# Altium PCB ATmega324PB_Xplained_Pro.PcbDoc (part 1 of 3) (continued)
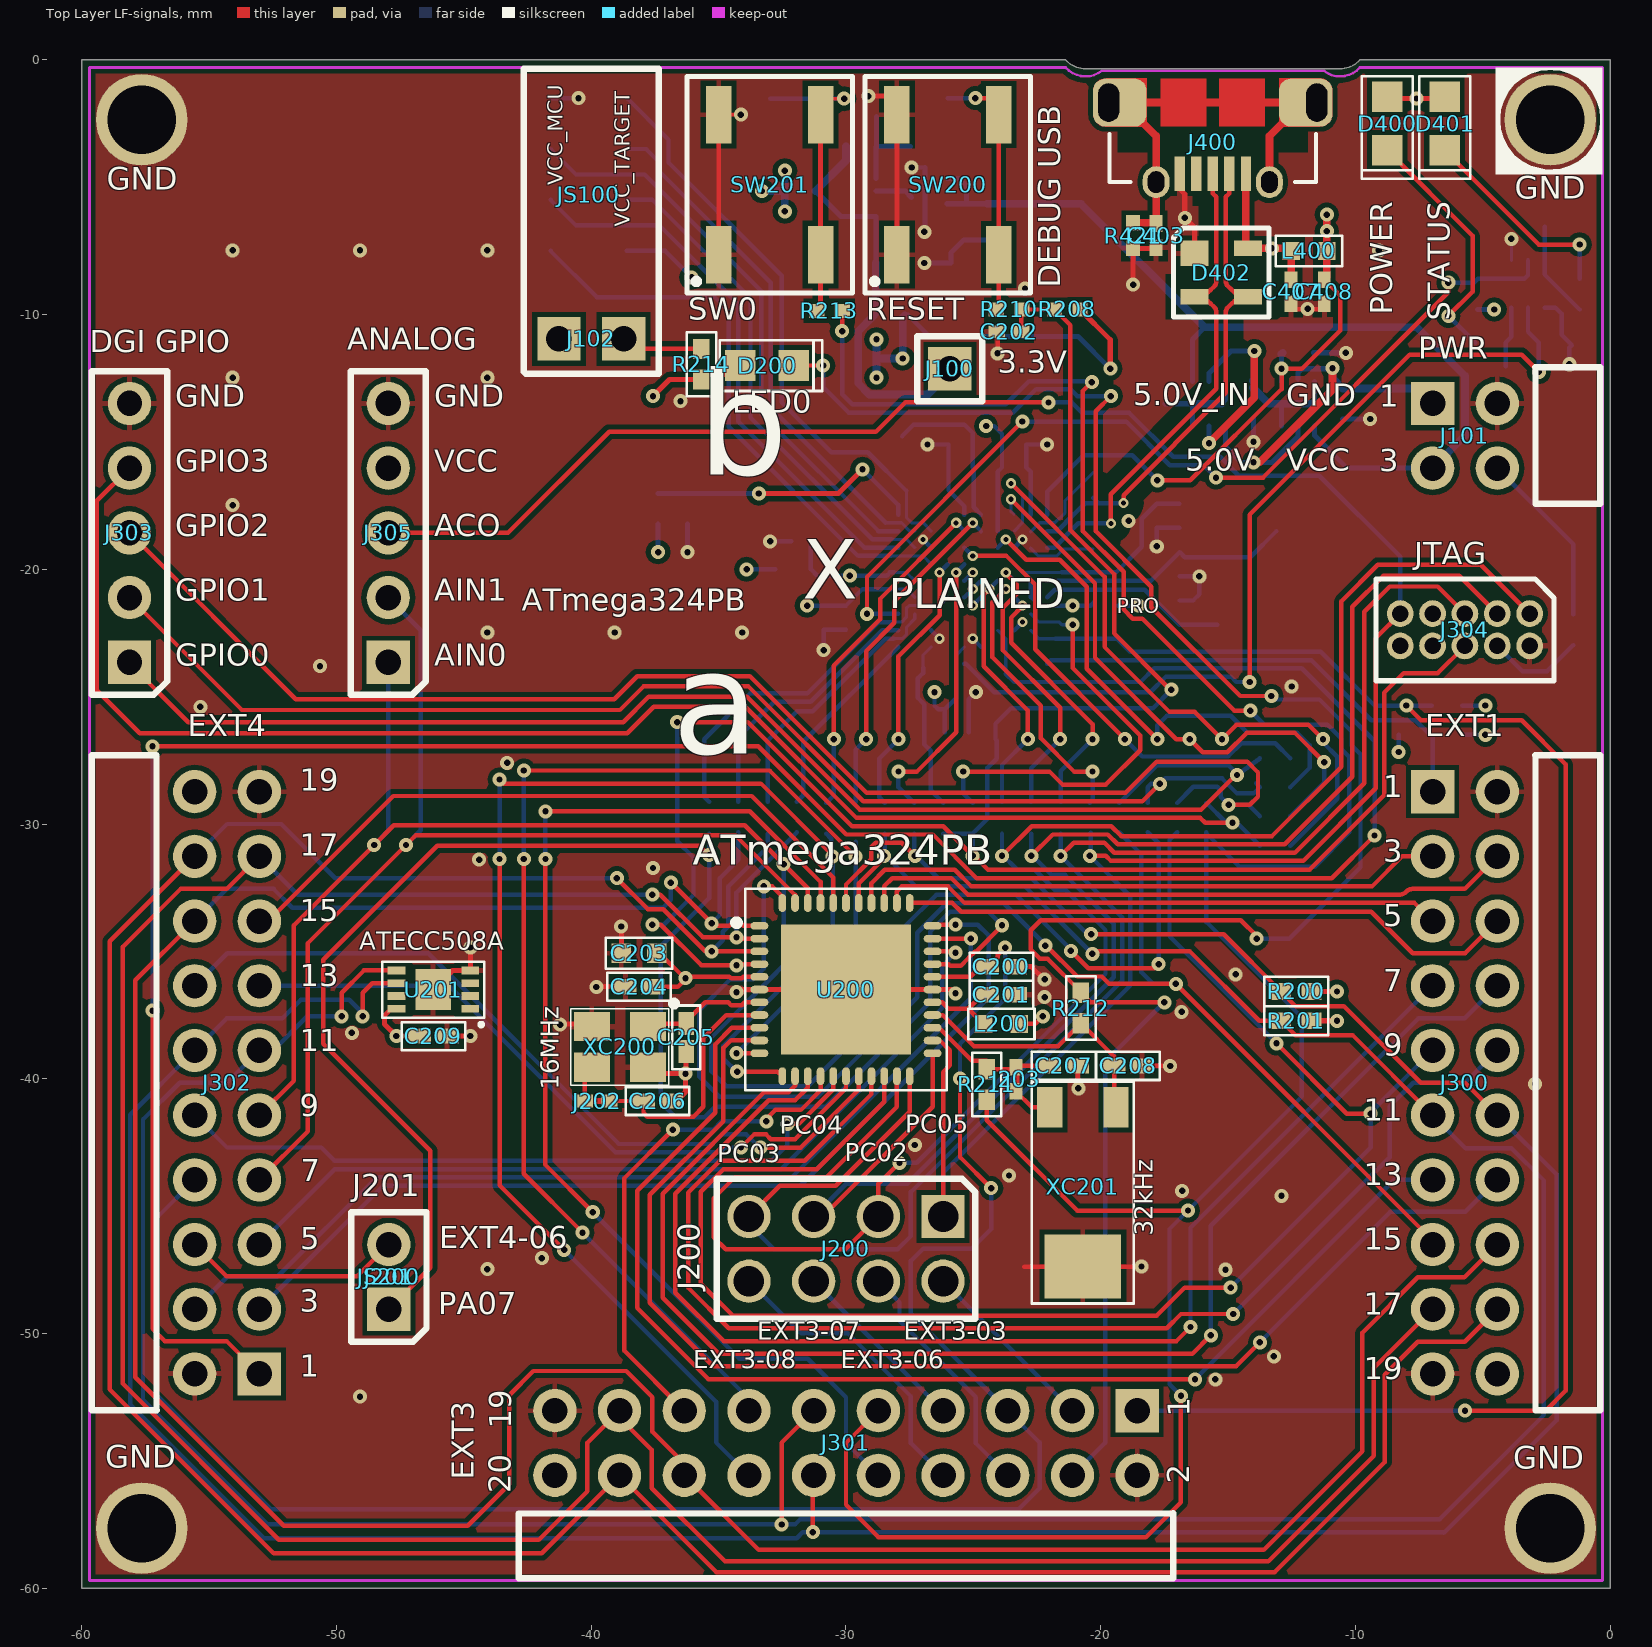
[diagram p0: Top Layer LF-signals view]
## Design rules (kind name [scope] priority, off if disabled: settings)
AcuteAngle [All] p1: minimum=7.00000000000000E+0001 checktracksonly=FALSE
AssemblyTestPointUsage "Schematic Assembly Testpoint Usage_11" [InNet('NetJ203_2')] p1: valid=1
AssemblyTestPointUsage "Schematic Assembly Testpoint Usage_5" [InNet('NetJ202_2')] p2: valid=1
AssemblyTestPointUsage "Schematic Assembly Testpoint Usage_2" [InNet('PE0_XTAL2')] p3: valid=1
AssemblyTestPointUsage "Schematic Assembly Testpoint Usage_1" [InNet('PE1_XTAL1')] p4: valid=1
AssemblyTestPointUsage "Schematic Assembly Testpoint Usage_4" [InNet('PC7_TOSC2')] p5: valid=1
AssemblyTestPointUsage "Schematic Assembly Testpoint Usage_3" [InNet('PC6_TOSC1')] p6: valid=1
AssemblyTestPointUsage "Schematic Assembly Testpoint Usage_10" [InNet('XIN0')] p7: valid=1
AssemblyTestPointUsage "Schematic Assembly Testpoint Usage_9" [InNet('XOUT0')] p8: valid=1
AssemblyTestPointUsage "Schematic Assembly Testpoint Usage_8" [InNet('EDBG_USB_FS_N')] p9: valid=1
AssemblyTestPointUsage "Schematic Assembly Testpoint Usage_7" [InNet('EDBG_USB_FS_P')] p10: valid=1
AssemblyTestPointUsage "Schematic Assembly Testpoint Usage_6" [InNet('EDBG_USB_HS_N')] p11: valid=1
AssemblyTestPointUsage "Schematic Assembly Testpoint Usage" [InNet('EDBG_USB_HS_P')] p12: valid=1
AssemblyTestPointUsage [All] p13:
AssemblyTestpoint [All] p1: testpointundercomponent=TRUE minsize=0.8 maxsize=10 preferedsize=0.8 minholesize=0 maxholesize=2 preferedholesize=0.25 testpointgrid=0.025 usegrid=FALSE gridtolerance=0 allowsidebottom=TRUE minspacing=1.27 compbodyclearance=0.127
Clearance Clearance_EDBG [(InComponent('U400') OR InNet('EDBG_USB_FS_N') OR InNet('EDBG_USB_FS_P'))] p1: gap=0.119
Clearance Clearance_touch [InPoly vs (InNet('PA02_ADC0_00') OR InNet('PA03_ADC0_01') OR InNet('PA02_ADC0_00_x') OR InNet('PA03_ADC0_01_x') OR  InNet('PA04_GPIO') OR InNet('PA05_GPIO') OR InNet('PA16_PWM_TC1_C0') OR InNet('PA17_PWM_TC1_C1') OR InNet('PA14_GPIO_NMI') OR InNet('PA15_GPIO_SS') OR InNet('EDBG_SPI_DGI_MOSI') OR InNet('EDBG_SPI_DGI_SCK') OR InNet('PA08_S0_SPI_SS') OR InNet('PA09_S0_SPI_MISO') OR InNet('NetCS300_1') OR InNet('NetCS301_1') OR InNet('NetJ302_1') OR InNet('NetJ303_1'))] p2: gap=0.4
Clearance Clearance_Poly_Impedance [IsRegion vs InDifferentialPairClass('All Differential Pairs')] p3: gap=0.6
Clearance Clearance_Poly [InPoly] p4: gap=0.2
Clearance [All] p5: gap=0.15
ComponentClearance [All] p1: gap=0.1 collisioncheckmode=3 verticalgap=0.1 showdistances=FALSE
DiffPairsRouting [All] p1: maxlimit=0.22 minlimit=0.18 mostfreqgap=0.2 toplayer_minwidth=0.125 toplayer_maxwidth=0.2 toplayer_prefwidth=0.18 bottomlayer_minwidth=0.125 bottomlayer_maxwidth=0.2 bottomlayer_prefwidth=0.18 maxuncoupledlength=20
FabricationTestPointUsage TestPointUsage [All] p1: valid=0 allowmultiple=FALSE
FabricationTestpoint Testpoint [All] p1: side=2 testpointundercomponent=TRUE minsize=0.55 maxsize=10 preferedsize=0.8 minholesize=0 maxholesize=2 preferedholesize=0.25 testpointgrid=0 allowsidebottom=TRUE usegrid=FALSE gridtolerance=0 minspacing=1.27 compbodyclearance=0.127
HoleSize [All] p1: absolutevalues=TRUE maxlimit=10 minlimit=0.2 maxpercent=80.000 minpercent=20.000
HoleToHoleClearance [All] p1: gap=0.3 allowstackedmicrovias=TRUE
MinimumAnnularRing [All] p1: minimumring=0.1
MinimumSolderMaskSliver [All] p1: minsoldermaskwidth=0.075
PlaneClearance [All] p1: clearance=0.3
PlaneConnect PlaneConnect_VIA [IsVia OR HasPad('Free-666')] p1: planeconnectstyle=Direct reliefexpansion=0.508 reliefentries=4 reliefconductorwidth=0.254 reliefairgap=0.254
PlaneConnect PlaneConnect_50mil [InComponent('J300')] p2: planeconnectstyle=Relief reliefexpansion=0.2 reliefentries=4 reliefconductorwidth=0.2 reliefairgap=0.2
PlaneConnect [All] p3: planeconnectstyle=Relief reliefexpansion=0.508 reliefentries=4 reliefconductorwidth=0.254 reliefairgap=0.254
PolygonConnect PolygonConnect_VIA [IsVia OR HasPad('Free-666')] p1: connectstyle=Direct reliefconductorwidth=0.254 reliefentries=4 polygonreliefangle="90 Angle" airgapwidth=0.254
PolygonConnect [All] p2: connectstyle=Relief reliefconductorwidth=0.2 reliefentries=4 polygonreliefangle="90 Angle" airgapwidth=0.2
RoutingVias [All] p1: holewidth=0.25 width=0.55 viastyle="Through Hole" minholewidth=0.2 minwidth=0.4 maxholewidth=0.5 maxwidth=1
SMDNeckDown [All] p1: percent=90.000
SilkToSilkClearance SilkToSilkClearance_Text [IsText vs IsText] p1: silktosilkclearance=0
SilkToSilkClearance [All] p2: silktosilkclearance=0.1
SilkToSolderMaskClearance SilkscreenOverComponentPads [IsPad] p1: minsilkscreentomaskgap=0.1 clearancetoexposedcopper=TRUE
SolderMaskExpansion SolderMaskTenting [IsVia AND NOT (IsFabTestpoint OR IsAssyTestpoint)] p1: expansion=-1
SolderMaskExpansion [All] p2: expansion=0.05
ViasUnderSMD [All] p1: allowed=FALSE
Width [All] p1: maxlimit=10 minlimit=0.125 preferedwidth=0.175
17 further rules are at their usual default settings.

## Classes and differential pairs
component class Target_MCU: C200 C201 C202 C203 C204 C205 C206 C207 C208 C209 C302 C303 C306 C307 D200 J200 J201 J202 J203 JS200 L200 R200 R201 R202 R203 R204 R205 R206 R207 R208 R209 R210 R211 R212 R213 R214 R215 R216 R217 R218 R301 R308 R312 SW200 SW201 TP200 TP201 TP302 U200 U201 XC200 XC201 XC301
component class ATmega324PB_Xplained_Pro_TopLevel: E1 E2 E3 E4 FIXTURE1 FW1 LABEL1 PCB1 PCBADOC1 TEST1 TESTDOC1
component class Power_supply: C100 C101 J100 J101 J102 JS100 Q100 Q101 R100 R101 R102 R103 R104 R105 R106 R107 U100
component class EDBG: C400 C401 C402 C403 C404 C405 C406 C407 C408 C409 C410 C411 C412 C413 C414 C415 D400 D401 D402 J400 L400 L401 Q400 R400 R401 R402 R403 R404 R405 R406 R407 R408 R409 R410 R411 R412 R413 R414 R415 R416 R417 R418 R419 R420 R421 R422 TP400 TP401 TP402 TP403 TP404 TP405 TP406 TP407 U400 XC400
component class Connectors: J300 J301 J302 J303 J304 J305 R300
differential pair EDBG_USB_HS: +EDBG_USB_HS_P -EDBG_USB_HS_N
differential pair EDBG_USB_FS: +EDBG_USB_FS_P -EDBG_USB_FS_N

## Components (designator, comment, footprint, x,y, rotation, side; value= is the part's Value field where it differs from the comment)
C100 "" AP1-00036 -27.35,-7.975 r0 bottom
C101 "" AP1-00039 -24.425,-6.375 r270 bottom
C200 "" AP1-00001#1 -23.9,-35.6 r180 top
C201 "" AP1-00001#1 -23.9,-36.7 r0 top
C202 "" AP1-00053 -23.6,-10.675 r180 top locked
C203 "" AP1-00039 -38.125,-35.075 r180 top
C204 "" AP1-00001#1 -38.122,-36.385 r180 top
C205 "" AP1-00001#1 -36.275,-38.375 r270 top
C206 "" AP1-00001#1 -37.4,-40.875 r180 top
C207 "" AP1-00001#2 -21.45,-39.5 r0 top
C208 "" AP1-00001#2 -18.925,-39.5 r0 top
C209 "" AP1-00001#1 -46.2,-38.325 r180 top
C400 "" AP1-00053 -16.9,-21.7 r90 bottom locked
C401 "" AP1-00053 -16.9,-19.8 r270 bottom locked
C402 "" AP1-00053 -17.8,-17.9 r270 bottom locked
C403 "" AP1-00053 -17.825,-6.9 r90 top
C404 "" AP1-00053 -31.675,-18.9 r180 bottom locked
C405 "Farnell no: 1288200" AP1-00053 -25.5,-15.1 r180 bottom locked
C406 "" AP1-00053 -25.5,-16 r180 bottom locked
C407 "" AP1-00053 -12.525,-9.1 r270 top
C408 "" AP1-00053 -11.225,-9.1 r270 top locked
C409 "Farnell no: 1288200" AP1-00053 -23.4,-15.1 r0 bottom locked
C410 "" AP1-00053 -23.4,-16 r0 bottom locked
C411 "" AP1-00053 -19.8,-21.425 r0 bottom locked
C412 "" AP1-00053 -25.65,-25.5 r0 bottom locked
C413 "" AP1-00053 -30,-21.9 r270 bottom locked
C414 "Farnell no: 1288200" AP1-00053 -30.875,-21.9 r270 bottom locked
C415 "Farnell no: 1288200" AP1-00053 -25.65,-26.4 r0 bottom locked
D200 "" AP4-00013 -33.1,-12 r180 top locked
D400 "" AP4-00013 -8.75,-2.5 r90 top locked
D401 "" AP4-00013 -6.5,-2.5 r90 top locked
D402 "Changed manufacturer from Philips to NXP." AP4-00001 -16.316,-7.6 r0 top
E1 "" AP8-00192 -9,-4.5 r180 bottom locked
E2 "" AP8-00192 -51,-4.5 r180 bottom locked
E3 "" AP8-00192 -12,-55.5 r180 bottom locked
E4 "" AP8-00192 -48,-55.5 r180 bottom locked
J100 "" AP8-00976 -25.925,-12.125 r90 top locked
J101 "" AP8-00628 -5.7,-14.76 r270 top locked
J102 "" AP8-00367 -40,-10.95 r0 top locked
J200 "" AP8-00971 -30,-46.68 r180 top
J201 "" AP8-00733 -47.95,-47.78 r90 top locked
J202 "" AP8-00595 -39.775,-40.875 r180 top net-tie
J203 "" AP8-00595 -23.325,-40.025 r270 top net-tie
J300 "" AP8-00622 -5.7,-40.16 r270 top locked
J301 "" AP8-00622 -30,-54.3 r180 top locked
J302 "" AP8-00622 -54.3,-40.16 r90 top locked
J303 "" AP8-00968 -58.13,-18.57 r90 top locked
J304 "" AP8-00257 -5.7,-22.375 r180 top locked
J305 "" AP8-00968 -47.97,-18.57 r90 top locked
J400 "2,000 pieces per reel" AP8-00852 -15.6,-1.675 r180 top locked
JS100 "" AP8-00525 -40.1,-5.3 r0 top locked
JS200 "" AP8-00525 -47.95,-47.78 r90 top
L200 "" AP3-00005 -23.9,-37.85 r0 top
L400 "" AP3-00005 -11.825,-7.5 r0 top locked
L401 "" AP3-00005 -32.075,-20 r0 bottom locked
LABEL1 "" AP8-00317 -28.875,-41.775 r180 bottom
Q100 "Farnell order code: 2191806" AP5-00047 -12.25,-13.5 r0 bottom
Q101 "Farnell order code: 2191806" AP5-00047 -15.75,-13.5 r180 bottom
Q400 "Same as 2N7002 but with two MOSFETs in one package" AP5-00001 -3.225,-8.8 r270 bottom locked
R100 "" AP2-00000 -12.25,-11.275 r180 bottom
R101 "" AP2-00000 -26.875,-3.4 r0 bottom
R102 "" AP2-00000 -29.4,-3.4 r0 bottom
R103 "" AP2-00000 -10.5,-13.5 r90 bottom
R104 "" AP2-00000 -14,-13.5 r90 bottom
R105 "" AP2-00000 -28.3,-10.025 r180 bottom
R106 "" AP2-00000 -37.375,-17.625 r270 bottom
R107 "" AP2-00000 -36.225,-17.625 r90 bottom
R200 "" AP2-00000 -12.325,-36.575 r0 top
R201 "" AP2-00000 -12.325,-37.725 r0 top
R202 "" AP2-00000 -28.475,-29.775 r270 bottom
R203 "" AP2-00000 -27.325,-29.775 r270 bottom
R204 "" AP2-00000 -30.775,-29.775 r270 bottom
R205 "" AP2-00000 -34.225,-29.775 r270 bottom
R206 "" AP2-00000 -33.075,-29.775 r270 bottom
R207 "" AP2-00000 -35.375,-29.775 r270 bottom
R208 "" AP2-00011 -21.311,-9.8 r0 top locked
R209 "" AP2-00000 -26.175,-29.775 r270 bottom
R210 "" AP2-00011 -23.6,-9.8 r0 top locked
R211 "" AP2-00000 -24.475,-40.225 r270 top
R212 "" AP2-00000 -20.775,-37.225 r90 top
R213 "" AP2-00011 -30.65,-9.85 r0 top locked
R214 "" AP2-00000 -35.675,-11.95 r90 top
R215 "" AP2-00000 -19.275,-29.775 r270 bottom
R216 "" AP2-00000 -18.15,-29.775 r270 bottom
R217 "" AP2-00000 -17,-29.775 r270 bottom
R218 "" AP2-00000 -15.85,-29.775 r270 bottom
R300 "" AP2-00000 -1.45,-22.375 r90 bottom
R400 "" AP2-00000 -25.025,-29.775 r270 bottom
R401 "" AP2-00000 -23.875,-29.775 r270 bottom
R402 "" AP2-00000 -22.725,-29.775 r270 bottom
R403 "" AP2-00000 -21.575,-29.775 r270 bottom
R404 "" AP2-00000 -20.425,-29.775 r270 bottom
R405 "" AP2-00000 -8.9,-26.5 r0 bottom
R406 "" AP2-00000 -6.4,-25.35 r0 bottom
R407 "" AP2-00000 -6.4,-26.5 r0 bottom
R408 "" AP2-00000 -5.2,-9.2 r270 bottom locked
R409 "" AP2-00000 -4.7,-11.1 r180 bottom locked
R410 "" AP2-00000 -1.2,-9.2 r90 bottom locked
R411 "" AP2-00000 -29.625,-29.775 r90 bottom
R412 "" AP2-00000 -2.2,-11.1 r180 bottom locked
R413 "" AP2-00000 -13.15,-27.425 r0 bottom
R414 "" AP2-00000 -13.15,-28.55 r0 bottom
R415 "" AP2-00000 -13.15,-29.7 r0 bottom
R416 "" AP2-00000 -13.15,-30.85 r0 bottom
R417 "" AP2-00000 -31.925,-29.775 r270 bottom
R418 "" AP2-00011 -20.3,-16.7 r90 bottom locked
R419 "" AP2-00011 -20.3,-18.7 r270 bottom locked
R420 "" AP2-00011 -16.9,-17.9 r90 bottom locked
R421 "" AP2-00011 -18.725,-6.9 r90 top
R422 "" AP2-00000 -31.8,-5.15 r0 bottom
SW200 "Can be ordered in low volumes from Mouser" AP8-00137 -26,-4.9 r90 top locked
SW201 "Can be ordered in low volumes from Mouser" AP8-00137 -33,-4.9 r90 top locked
TP200 "" AP8-00010#1 -26,-1.5 r270 bottom locked
TP201 "" AP8-00010#2 -32.825,-1.475 r270 bottom locked
TP400 "" AP8-00010#1 -41.6,-1.5 r270 bottom locked
TP401 "" AP8-00010#1 -38.6,-1.5 r270 bottom locked
TP402 "" AP8-00010#1 -41.6,-3.5 r270 bottom locked
TP403 "" AP8-00010#1 -41.6,-5.5 r270 bottom locked
TP404 "" AP8-00010#1 -38.6,-5.5 r270 bottom locked
TP405 "" AP8-00010#1 -41.6,-7.5 r270 bottom locked
TP406 "" AP8-00010#1 -38.6,-3.5 r270 bottom locked
TP407 "" AP8-00010#1 -38.6,-7.5 r270 bottom locked
U100 "DigiKey: 1016-1588-2-ND" AP6-00338 -27.425,-5.4 r180 bottom
U200 "Footprint has tight silkscreen to solder mask expansion clearance" AP6-00147 -30,-36.5 r0 top
U201 "" AP6-00409 -46.2,-36.5 r180 top
U400 "100 ball VFBGA" AP6-00206 -25.025,-20.775 r90 bottom locked
XC200 "" AP7-00061 -38.875,-38.75 r180 top
XC201 "Farnell order no:1539364" AP7-00044 -20.7,-41.125 r180 top
XC400 "" AP7-00039 -14.25,-20.25 r90 bottom locked

## Footprints (in the part's own frame and the unit in brackets; to place one, negate y for a bottom-side part, rotate by r counter-clockwise, add the part's x,y. Pads: shape width x height; smd on the part's side, far side on the other; paste and mask are expansions set on the pad)
AP1-00001#1 [mm] "Standard 0402 SMD capacitor footprint"
  rect 0.9x0.6 smd: 1(-0.55,0) 2(0.55,0)
  silkscreen extent -1.25,-0.55 1.25,0.55, body extent -0.5,-0.3 0.5,0.3, height 0.2
AP1-00001#2 [mm] "Standard 0402 SMD capacitor footprint"
  rect 0.9x0.6 smd paste-1: 1(-0.55,0) 2(0.55,0)
  silkscreen extent -1.25,-0.55 1.25,0.55, body extent -0.5,-0.3 0.5,0.3, height 0.2
AP1-00036 [mm] "SMD capacitors: 3216-18 EIA Case 1206, polarized"
  rect 0.95x1.75 smd: 1(-1.475,0) 2(1.475,0)
  silkscreen extent -2.95,-1.12 2.2,1.12, body extent -1.6,-0.8 1.6,0.8, height 1
AP1-00039 [mil] "Capacitor 0603 Hight 0.8mm"
  rect 30x30 smd: 1(-27.5,0) 2(27.5,0)
  silkscreen extent -52,-24 51,24, body extent -31,-16 32,16, height 12
AP1-00053 [mm] "Chip Capacitor, 2-Leads, Body 1.0x0.5mm, IPC High Density"
  rect 0.65x0.5 smd: 1(-0.475,0) 2(0.475,0)
  body extent -0.5,-0.3 0.5,0.3, height 0.2
AP2-00000 [mm] "Standard 0402 SMD resistor footprint"
  rect 0.8x0.65 smd: 1(-0.6,0) 2(0.6,0)
  silkscreen extent -1.25,-0.58 1.25,0.58, body extent -0.5,-0.3 0.5,0.3, height 0.2
AP2-00011 [mm] "Chip Resistor, 2-Leads, Body 1,0x0,5mm, IPC High Density"
  rect 0.6x0.55 smd: 1(-0.5,0) 2(0.5,0)
  body extent -0.5,-0.3 0.5,0.3, height 0.2
AP3-00005 [mm]
  rect 0.7x0.7 smd: 1(-0.7,0) 2(0.7,0)
  silkscreen extent -1.3,-0.6 1.3,0.6, body extent -0.83,-0.41 0.82,0.41, height 0.8
AP4-00001 [mm]
  rect 1.1x1 smd: 1(0,0)
  rect 1.1x0.6 smd: 2(0,-1.7) 3(2.1,-1.7) 4(2.1,0.2)
  silkscreen extent -0.82,-2.5 2.93,1, body extent -0.13,-2.2 2.23,0.7, height 1.21
AP4-00013 [mm] "0805 diode footprint"
  rect 1.2x1.2 smd: 1(-1.05,0) 2(1.05,0)
  silkscreen extent -2.16,-1 1.85,1, body extent -1,-0.63 1,0.63, height 1.1
AP5-00001 [mm]
  rect 0.85x0.35 smd: 1(-0.925,0.65) 2(-0.925,0) 3(-0.925,-0.65) 4(0.925,-0.65) 5(0.925,0) 6(0.925,0.65)
  silkscreen extent -1.6,-1.35 1.6,1.35, body extent -1.05,-1 1.05,1, height 0.95
AP5-00047 [mm] "NXP SOT1118 (DFN2020-6) Footprint"
  rect 0.35x0.3 smd mask+0.05: 1(-0.65,-0.875) 2(0,-0.875) 3(0.65,-0.875) 4(0.65,0.875) 5(0,0.875) 6(-0.65,0.875)
  rect 0.72x1.05 smd mask+0.05: 7(-0.49,0) 8(0.49,0)
  silkscreen extent -1,-1.55 1,1.17, body extent -0.99,-1.01 1.01,1.01, height 0.65
AP6-00147 [mm] "44M1, 44-pad, 7 x 7 x 1.0 mm Body, Lead Pitch 0.50 mm,  Micro Lead Frame Package (MLF)"
  round 1.5 on Top Paste: 0(-1.6,-1.6) 0(-1.6,1.6) 0(0,0) 0(1.6,-1.6) 0(1.6,1.6)
  oval 0.7x0.3 smd: 1(-3.4,2.5) 2(-3.4,2) 3(-3.4,1.5) 4(-3.4,1) 5(-3.4,0.5) 6(-3.4,0) 7(-3.4,-0.5) 8(-3.4,-1) 9(-3.4,-1.5) 10(-3.4,-2) 11(-3.4,-2.5) 23(3.4,-2.5) 24(3.4,-2) 25(3.4,-1.5) 26(3.4,-1) 27(3.4,-0.5) 28(3.4,0) 29(3.4,0.5) 30(3.4,1) 31(3.4,1.5) 32(3.4,2) 33(3.4,2.5)
  oval 0.3x0.7 smd: 12(-2.5,-3.4) 13(-2,-3.4) 14(-1.5,-3.4) 15(-1,-3.4) 16(-0.5,-3.4) 17(0,-3.4) 18(0.5,-3.4) 19(1,-3.4) 20(1.5,-3.4) 21(2,-3.4) 22(2.5,-3.4) 34(2.5,3.4) 35(2,3.4) 36(1.5,3.4) 37(1,3.4) 38(0.5,3.4) 39(0,3.4) 40(-0.5,3.4) 41(-1,3.4) 42(-1.5,3.4) 43(-2,3.4) 44(-2.5,3.4)
  rect 5.1x5.1 smd paste-5.1: 45(0,0)
  silkscreen extent -4.42,-3.95 3.95,3.95, body extent -3.55,-3.55 3.55,3.55, height 1.01
AP6-00206 [mm] "100 ball (10x10 array) VFBGA. Pitch 0.65 mm. Width: 7 mm. Length: 7mm. Height: 1 mm"
  round 0.28 smd: A1(-2.925,2.925) A2(-2.275,2.925) A3(-1.625,2.925) A4(-0.975,2.925) A5(-0.325,2.925) A6(0.325,2.925) A7(0.975,2.925) A8(1.625,2.925) A9(2.275,2.925) A10(2.925,2.925) B1(-2.925,2.275) B2(-2.275,2.275) B3(-1.625,2.275) B4(-0.975,2.275) B5(-0.325,2.275) B6(0.325,2.275) B7(0.975,2.275) B8(1.625,2.275) B9(2.275,2.275) B10(2.925,2.275) C1(-2.925,1.625) C2(-2.275,1.625) C3(-1.625,1.625) C4(-0.975,1.625) C5(-0.325,1.625) C6(0.325,1.625) C7(0.975,1.625) C8(1.625,1.625) C9(2.275,1.625) C10(2.925,1.625) D1(-2.925,0.975) D2(-2.275,0.975) D3(-1.625,0.975) D4(-0.975,0.975) D5(-0.325,0.975) D6(0.325,0.975) D7(0.975,0.975) D8(1.625,0.975) D9(2.275,0.975) D10(2.925,0.975) E1(-2.925,0.325) E2(-2.275,0.325) E3(-1.625,0.325) E4(-0.975,0.325) E5(-0.325,0.325) E6(0.325,0.325) E7(0.975,0.325) E8(1.625,0.325) E9(2.275,0.325) E10(2.925,0.325) F1(-2.925,-0.325) F2(-2.275,-0.325) F3(-1.625,-0.325) F4(-0.975,-0.325) F5(-0.325,-0.325) F6(0.325,-0.325) F7(0.975,-0.325) F8(1.625,-0.325) F9(2.275,-0.325) F10(2.925,-0.325) G1(-2.925,-0.975) G2(-2.275,-0.975) G3(-1.625,-0.975) G4(-0.975,-0.975) G5(-0.325,-0.975) G6(0.325,-0.975) G7(0.975,-0.975) G8(1.625,-0.975) G9(2.275,-0.975) G10(2.925,-0.975) H1(-2.925,-1.625) H2(-2.275,-1.625) H3(-1.625,-1.625) H4(-0.975,-1.625) H5(-0.325,-1.625) H6(0.325,-1.625) H7(0.975,-1.625) H8(1.625,-1.625) H9(2.275,-1.625) H10(2.925,-1.625) J1(-2.925,-2.275) J2(-2.275,-2.275) J3(-1.625,-2.275) J4(-0.975,-2.275) J5(-0.325,-2.275) J6(0.325,-2.275) J7(0.975,-2.275) J8(1.625,-2.275) J9(2.275,-2.275) J10(2.925,-2.275) K1(-2.925,-2.925) K2(-2.275,-2.925) K3(-1.625,-2.925) K4(-0.975,-2.925) K5(-0.325,-2.925) K6(0.325,-2.925) K7(0.975,-2.925) K8(1.625,-2.925) K9(2.275,-2.925) K10(2.925,-2.925)
  silkscreen extent -4.15,-4.15 4.15,4.15, body extent -3.5,-3.5 3.5,3.5, height 1.01
AP6-00338 [mm] "8-lead 3.0x2.0 mm Body, 0.50 mm Pitch,  VDFN, Very Thin, Dual Flat No-Lead Package"
  round 0.4 on Bottom Paste: 0(-0.425,-0.4) 0(-0.425,0.4) 0(0,0) 0(0.425,-0.4) 0(0.425,0.4)
  rect 0.6x0.25 smd: 1(-1.4,0.75) 2(-1.4,0.25) 3(-1.4,-0.25) 4(-1.4,-0.75) 5(1.4,-0.75) 6(1.4,-0.25) 7(1.4,0.25) 8(1.4,0.75)
  rect 1.6x1.5 smd paste-0.7: 9(0,0)
  silkscreen extent -2.26,-1.3 2.2,1.33, body extent -1.53,-1 1.53,1, height 0.92
AP6-00409 [mm]
  rect 0.7x0.3 smd mask+0.075: 1(-1.45,0.75) 2(-1.45,0.25) 3(-1.45,-0.25) 4(-1.45,-0.75) 5(1.45,-0.75) 6(1.45,-0.25) 7(1.45,0.25) 8(1.45,0.75)
  rect 1.4x1.6 smd paste-0.025 mask+0.075: 9(0,0)
  silkscreen extent -2,-1.1 2,1.45, body extent -1.55,-1.05 1.55,1.05, height 0.6
AP7-00039 [mm] "FOX FQ5032B"
  rect 1.6x1.3 smd: 1(-1.9,-1.15) 2(1.9,-1.15) 3(1.9,1.15) 4(-1.9,1.15)
  silkscreen extent -3,-2.1 3,2.1, body extent -2.7,-1.8 2.7,1.8, height 1.2
AP7-00044 [mm]
  rect 1x1.6 smd paste-1: 1(-1.3,0) 2(1.3,0)
  rect 3x2.5 smd paste-2: 3(0,6.25)
  silkscreen extent -2,-1 2,7.7, body extent -1.5,-0.7 1.5,7.4, height 2.08
AP7-00061 [mm] "TSX-3225"
  rect 1.4x1.15 smd: 1(-1.1,-0.8) 2(1.1,-0.8) 3(1.1,0.8) 4(-1.1,0.8)
  silkscreen extent -2.23,-1.81 1.92,1.5, body extent -1.6,-1.25 1.6,1.25, height 0.6
AP8-00010#1 [mm] "Testpad 50mil"
  round 1.27 smd paste-0.635: 1(0,0)
AP8-00010#2 [mm] "Testpad 50mil"
  round 1.27 smd paste-0.635: 1(0.025,0.175)
AP8-00137 [mm]
  rect 2.25x1 smd: 1(-2.75,2) 2(2.75,2) 3(-2.75,-2) 4(2.75,-2)
  silkscreen extent -4.25,-3.25 4.25,3.25, body extent -3.4,-3.21 3.4,3.22, height 3.47
AP8-00192 [mm]
  silkscreen extent -4,-4 3.86,4, body extent -3.97,-3.99 4,3.99, height 2.79
AP8-00257 [mm]
  round 1.05 hole 0.65: 1(-2.54,-0.635) 2(-2.54,0.635) 3(-1.27,-0.635) 4(-1.27,0.635) 5(0,-0.635) 6(0,0.635) 7(1.27,-0.635) 8(1.27,0.635) 9(2.54,-0.635) 10(2.54,0.635)
  round 1.05 on Top Paste: 1(-2.54,-0.635) 2(-2.54,0.635) 3(-1.27,-0.635) 4(-1.27,0.635) 5(0,-0.635) 6(0,0.635) 7(1.27,-0.635) 8(1.27,0.635) 9(2.54,-0.635) 10(2.54,0.635)
  silkscreen extent -3.5,-2 3.5,2, body extent -3.15,-1.64 3.2,1.79, height 3.88
AP8-00317 [mm] "Placement area for 18x6mm sticker"
  silkscreen extent 0,0 18,6
AP8-00367 [mm] "1x2 pin header, right angle, 2.54 mm pitch, through-hole"
  rect 1.7x1.7 / inner round 1.7 / far side round 1.7 hole 1: 1(-1.27,0) 2(1.27,0)
  silkscreen extent -2.65,-1.38 2.66,10.6, body extent -2.54,-0.33 2.54,9.99, height 2.55
AP8-00525 [mm] "Jumper 2.54mm, 3D"
  body extent -2.49,0 2.49,5.97, height 2.52
AP8-00595 [mm]
  rect 0.65x0.5 smd: 1(-0.475,0) 2(0.475,0)
  Top Layer LF-signals lines w0.254: 0.2,0 -0.175,0
AP8-00622 [mm] "2x10 Right angle 2.54mm THM"
  rect 1.7x1.7 / inner round 1.7 / far side rect 1.7x1.7 hole 1: 1(-11.43,-1.27)
  rect 2.1x2.1 on Top Paste: 1(-11.43,-1.27) 2(-11.43,1.27) 3(-8.89,-1.27) 4(-8.89,1.27) 5(-6.35,-1.27) 6(-6.35,1.27) 7(-3.81,-1.27) 8(-3.81,1.27) 9(-1.27,-1.27) 10(-1.27,1.27) 11(1.27,-1.27) 12(1.27,1.27) 13(3.81,-1.27) 14(3.81,1.27) 15(6.35,-1.27) 16(6.35,1.27) 17(8.89,-1.27) 18(8.89,1.27) 19(11.43,-1.27) 20(11.43,1.27)
  round 1.7 hole 1: 2(-11.43,1.27) 3(-8.89,-1.27) 4(-8.89,1.27) 5(-6.35,-1.27) 6(-6.35,1.27) 7(-3.81,-1.27) 8(-3.81,1.27) 9(-1.27,-1.27) 10(-1.27,1.27) 11(1.27,-1.27) 12(1.27,1.27) 13(3.81,-1.27) 14(3.81,1.27) 15(6.35,-1.27) 16(6.35,1.27) 17(8.89,-1.27) 18(8.89,1.27) 19(11.43,-1.27) 20(11.43,1.27)
  silkscreen extent -12.85,2.77 12.85,5.31, body extent -12.7,-1.59 12.7,11.29, height 5
AP8-00628 [mm] "2x2 Right angle 2.54mm THM"
  rect 1.7x1.7 / inner round 1.7 / far side rect 1.7x1.7 hole 1: 1(-1.27,-1.27)
  rect 2.1x2.1 on Top Paste: 1(-1.27,-1.27) 2(-1.27,1.27) 3(1.27,-1.27) 4(1.27,1.27)
  round 1.7 hole 1: 2(-1.27,1.27) 3(1.27,-1.27) 4(1.27,1.27)
  silkscreen extent -2.69,2.77 2.67,5.31, body extent -2.54,-1.52 2.54,11.36, height 5
AP8-00733 [mm] "Pin header 1x2 Pin in Paste"
  rect 1.7x1.7 / inner round 1.7 / far side rect 1.7x1.7 hole 1: 1(-1.27,0)
  rect 2.1x2.1 on Top Paste: 1(-1.27,0) 2(1.27,0)
  round 1.7 hole 1: 2(1.27,0)
  silkscreen extent -2.54,-1.48 2.54,1.48, body extent -2.54,-1.27 2.54,1.27, height 8.38
AP8-00852 [mm] "Hirose, ZX Series, USB Micro-AB Recept-RA"
  rect 0.4x1.35 smd: 1(-1.3,2.8) 2(-0.65,2.8) 3(0,2.8) 4(0.65,2.8) 5(1.3,2.8)
  rrect52% 2.1x1.9 hole 0.825 slot 1.5 at 90 deg copper offset 0.437,0: 6(-4.088,0)
  rrect52% 2.1x1.9 on Top Paste: 6(-3.6,0) 7(3.6,0)
  rrect52% 2.1x1.9 hole 0.825 slot 1.5 at 90 deg copper offset -0.437,0: 7(4.088,0)
  rrect100% 1.05x1.25 hole 0.65 slot 0.85 at 90 deg: 8(-2.225,3.125) 9(2.225,3.125)
  rrect100% 1.05x1.25 on Top Paste: 8(-2.225,3.125) 9(2.225,3.125)
  Top Layer LF-signals region: -2.05,-0.95 -0.25,-0.95 -0.25,0.95 -2.05,0.95
  Top Layer LF-signals region: 0.25,-0.95 2.05,-0.95 2.05,0.95 0.25,0.95
  Top Layer LF-signals pour cut-out: -3.75,1.975 3.75,1.975 3.75,-1.325 -3.75,-1.325
  Top Layer LF-signals region: -2.6,0.95 -4.2,0.95 -4.294,0.941 -4.381,0.915 -4.434,0.891 -4.48,0.862 -4.52,0.832 -4.565,0.791 -4.596,0.753 -4.622,0.716 -4.647,0.673 -4.66,0.64 -4.676,0.6 -4.688,0.55 -4.696,0.505 -4.7,0.45 -4.7,-0.45 -4.696,-0.503 -4.689,-0.548 -4.677,-0.599 -4.661,-0.641 -4.641,-0.683 -4.617,-0.724 -4.589,-0.761 -4.56,-0.797 -4.521,-0.831 -4.483,-0.86 -4.439,-0.888 -4.397,-0.908 -4.354,-0.924 -4.301,-0.939 -4.248,-0.946 -4.2,-0.95 -2.6,-0.95
  Top Layer LF-signals region: 2.6,-0.95 4.2,-0.95 4.294,-0.941 4.381,-0.915 4.434,-0.891 4.48,-0.862 4.52,-0.832 4.565,-0.791 4.596,-0.753 4.622,-0.716 4.647,-0.673 4.66,-0.64 4.676,-0.6 4.688,-0.55 4.696,-0.505 4.7,-0.45 4.7,0.45 4.696,0.503 4.689,0.548 4.677,0.599 4.661,0.641 4.641,0.683 4.617,0.724 4.589,0.761 4.56,0.797 4.521,0.831 4.483,0.86 4.439,0.888 4.397,0.908 4.354,0.924 4.301,0.939 4.248,0.946 4.2,0.95 2.6,0.95
  Bottom Layer LF-signals region: 2.6,-0.95 4.2,-0.95 4.294,-0.941 4.381,-0.915 4.434,-0.891 4.48,-0.862 4.52,-0.832 4.565,-0.791 4.596,-0.753 4.622,-0.716 4.647,-0.673 4.66,-0.64 4.676,-0.6 4.688,-0.55 4.696,-0.505 4.7,-0.45 4.7,0.45 4.696,0.503 4.689,0.548 4.677,0.599 4.661,0.641 4.641,0.683 4.617,0.724 4.589,0.761 4.56,0.797 4.521,0.831 4.483,0.86 4.439,0.888 4.397,0.908 4.354,0.924 4.301,0.939 4.248,0.946 4.2,0.95 2.6,0.95
  Bottom Layer LF-signals region: -2.6,0.95 -4.2,0.95 -4.294,0.941 -4.381,0.915 -4.434,0.891 -4.48,0.862 -4.52,0.832 -4.565,0.791 -4.596,0.753 -4.622,0.716 -4.647,0.673 -4.66,0.64 -4.676,0.6 -4.688,0.55 -4.696,0.505 -4.7,0.45 -4.7,-0.45 -4.696,-0.503 -4.689,-0.548 -4.677,-0.599 -4.661,-0.641 -4.641,-0.683 -4.617,-0.724 -4.589,-0.761 -4.56,-0.797 -4.521,-0.831 -4.483,-0.86 -4.439,-0.888 -4.397,-0.908 -4.354,-0.924 -4.301,-0.939 -4.248,-0.946 -4.2,-0.95 -2.6,-0.95
  silkscreen extent -4.05,1.22 4.05,3.13, body extent -4.32,-2.65 4.33,3.25, height 2.78
AP8-00968 [mm] "Pin header 1x5 Pin in Paste"
  rect 1.7x1.7 / inner round 1.7 / far side rect 1.7x1.7 hole 1: 1(-5.08,0)
  round 1.7 hole 1: 2(-2.54,0) 3(0,0) 4(2.54,0) 5(5.08,0)
  silkscreen extent -6.35,-1.48 6.35,1.48, body extent -6.35,-1.27 6.35,1.27, height 8.56
AP8-00971 [mm]
  rect 1.7x1.7 / inner round 1.7 / far side rect 1.7x1.7 hole 1.2: 1(-3.81,-1.27)
  round 1.7 hole 1.2: 2(-3.81,1.27) 3(-1.27,-1.27) 4(-1.27,1.27) 5(1.27,-1.27) 6(1.27,1.27) 7(3.81,-1.27) 8(3.81,1.27)
  silkscreen extent -5.08,-2.75 5.08,2.75, body extent -5.08,-2.54 5.08,2.54, height 8.56
AP8-00976 [mm] "Pin header 1x1 Pin in Paste"
  rect 1.7x1.7 / inner round 1.7 / far side rect 1.7x1.7 hole 1: 1(0,0)
  rect 2.1x2.1 on Top Paste: 1(0,0)
  silkscreen extent -1.27,-1.27 1.27,1.27, body extent -1.27,-1.27 1.27,1.27, height 8.56

## Part data
C100: library part A01-0324, "SMD tantalum capacitor, ESR = 1.7, 3216-18 (EIA) 1206,"
C101 C203: library part A01-0377, "Ceramic capacitor, SMD 0603, X5R, 10V, 10% (de31036)"
C200 C201 C204 C209 C404 C410 C411 C412 C413: library part A01-0246, "Ceramic capacitor, SMD 0402, X7R, 16V, +/-10%"
C202: library part A01-0046, "Ceramic capacitor, SMD 0402, X7R, 25V, +/-10% (de35287)"
C205 C206: library part A01-0006, "Ceramic capacitor, SMD 0402, NP0, 50V, +/-0.25pF"
C207 C208 C402: library part A01-0015, "Ceramic capacitor, SMD 0402, NP0, 50V, +/-5%"
C400 C401: library part A01-0019, "Ceramic capacitor, SMD 0402, NP0, 50V, +/-5%"
C403: library part A01-0046, "Ceramic capacitor, SMD 0402, X7R, 25V, +/-10%"
C405 C409 C414 C415: library part A01-0300, "Ceramic capacitor, SMD 0402, X5R, 6.3V, +/-20%"
C406 C407 C408: library part A01-0321, "Ceramic capacitor, SMD 0402, C0G, 50V, +/-5%"
D200 D401: library part A10-0019, "LED, Yellow, Wave length=591nm, SMD 0805, ±70°"
D400: library part A10-0018, "LED, Green, Wave length=575nm, SMD 0805, ±70°"
D402: library part A06-0236, "Double rail-to-rail USB ESD protection diode"
E1 E2 E3 E4: library part A08-0053, "2.8mm adhesive feet,diam 8.0mm"
J100: library part A08-2457, "1x1 pin header, 2.54mm pitch, Pin-in-Paste THM"
J101: library part A08-1519, "Pin header, 2x2, Right Angle, 2.54mm, THT, Pin In Paste"
J102: library part A08-0764, "1x2 pin header, right angle, 2.54 mm pitch, through-hole"
J200: library part A08-2452, "2x4 pin header, 2.54 mm pitch, Pin-in-Paste THM"
J201: library part A08-1754, "1x2 pin header, 2.54mm pitch, Pin-in-Paste THM"
J202 J203: library part A08-1454, "Closed Link 0402"
J300 J301 J302: library part A08-1513, "Pin header, 2x10, Right Angle, 2.54mm, THM, Pin In Paste"
J303 J305: library part A08-2448, "1x5 pin header, 2.54mm pitch, Pin-in-Paste THM"
J304: library part A08-0385, "2x5 pin header, 1.27mm pitch, THM"
J400: library part A08-2112, "Micro USB AB Connector, Standard SMT + DIP"
JS100 JS200: library part A08-0543, "Jumper cap for 2.54mm pinheader"
L200 L400 L401: library part A03-0035, "SMD RF inductor 0603. Z=470Ohm (@100MHz), Max R(dc)=0.65Ohm, Max current=1A"
LABEL1: library part A09-0611, "PCBA identification label PP Top White Gloss"
Q100 Q101: library part A05-0146, "Dual P-Channel MOSFET, -20V, RDS(ON) < 55 mOhm @-3.4A@-4.5V"
Q400: library part A05-0051, "Dual N-Channel MOSFET, 60V, 115mA cont,RDS(ON) < 7.5 Ohm @50mA@5V, SOT-363"
R100 R408 R412 R421: library part A02-0284, "Thick film resistor, SMD 0402, 1/16W, 1%"
R101: library part A02-0242, "Thick film resistor, SMD 0402, 1/16W, 1%"
R102: library part A02-0247, "Thick film resistor, SMD 0402, 1/16W, 1%"
R103 R104 R208: library part A02-0260, "Thick film resistor, SMD 0402, 1/16W, 1%"
R105 R202 R203 R204 R205 R206 R207 R209 R211 R212 R215 R216 R217 R218 R300: library part A02-0163, "RES 0.0 OHM 1/16W 0402 SMD"
R106 R107: library part A02-0252, "Thick film resistor, SMD 0402, 1/16W, 1%"
R200 R201: library part A02-0228, "Thick film resistor, SMD 0402, 1/16W, 1%"
R210 R213 R418 R419: library part A02-0178, "Thick film resistor, SMD 0402, 1/16W, 1%"
R214 R400 R401 R402 R403 R404 R409 R410 R411 R413 R414 R415 R416 R417: library part A02-0200, "Thick film resistor, SMD 0402, 1/16W, 1%"
R405 R406 R407: library part A02-0212, "Thick film resistor, SMD 0402, 1/16W, 1%"
R420: library part A02-0539, "Thick film resistor, SMD 0402, 1/16W, 1%"
R422: library part A02-0163, "Thick film resistor, SMD 0402, 1/16W, 1%"
SW200 SW201: library part A08-0790, "6.2x6.2 mm SMD tact switch, same as A08-0091 but less force is needed"
TP200 TP201 TP400 TP401 TP402 TP403 TP404 TP405 TP406 TP407: library part A08-0004, "Single SMD testpad"
U100: library part A06-0957, "500mA LDO, ADJ, low noise, 8-DFN package"
U200: library part A06-1345, "AVR 8-bit RISC MCU"
U201: library part A06-1281, "ATECC508A with an I2C Interface and a 8 Pin UDFN Package with Paddle"
U400: library part A06-0736, "AVR 32-bit RISC MCU"
XC200: library part A07-0078, "16MHz uXtal, 3.2 x 2.5 mm SMD, CL=9pF, 15PPM, ESR=80ohm(Max."
XC201: library part A07-0052, "32k768 crystal, +-20ppm, CL=7pF, max ESR 60kOhm, SMD"
XC400: library part A07-0042, "Fox FQ5032B 12.0MHz SMD crystal 738B-12"

## Free pads (board coordinates)
  round 0.8 smd far side: 0(-35.56,-26.67) 0(-34.29,-26.67) 0(-33.02,-26.67) 0(-31.75,-26.67) 0(-26.67,-27.94) 1(-15.925,-10.5)
  round 0.8 smd far side paste-1: 3(-28.8,-2.225) 3(-27.8,-14.775) 3(-24.13,-26.67) 3(-18.9,-19.65) 3(-17.475,-13.5) 3(-4.1,-12.025) 3(-2.575,-6.55)
  round 3.6 hole 2.7 paste-2.6: 666(-57.65,-57.65) 666(-57.65,-2.35) 666(-2.35,-57.65) 666(-2.35,-2.35)

## Via types
v1: diameter 0.55, hole 0.25, Top Layer LF-signals to Bottom Layer LF-signals, 105 vias
v2: diameter 0.55, hole 0.25, Top Layer LF-signals to Bottom Layer LF-signals, tented bottom, 45 vias
v3: diameter 0.55, hole 0.25, Top Layer LF-signals to Bottom Layer LF-signals, tented top, 29 vias
v4: diameter 0.55/0.8 (per signal layer), hole 0.25, Top Layer LF-signals to Bottom Layer LF-signals, tented top, 24 vias
v5: diameter 0.55, hole 0.25, Top Layer LF-signals to Bottom Layer LF-signals, tented both sides, 13 vias
v6: diameter 0.4, hole 0.2, Top Layer LF-signals to Bottom Layer LF-signals, tented both sides, 12 vias
v7: diameter 0.4, hole 0.2, Top Layer LF-signals to Bottom Layer LF-signals, tented top, 8 vias
v8: diameter 0.4, hole 0.2, Top Layer LF-signals to Bottom Layer LF-signals, 2 vias
v9: diameter 0.55/0.55 (per signal layer), hole 0.25, Top Layer LF-signals to Bottom Layer LF-signals, tented top, 1 vias
v10: diameter 0.55/0.55 (per signal layer), hole 0.25, Top Layer LF-signals to Bottom Layer LF-signals, 1 vias
v11: diameter 0.55/0.55 (per signal layer), hole 0.25, Top Layer LF-signals to Bottom Layer LF-signals, tented both sides, 1 vias

## Nets (pads, with @x,y where several pads share a name; then routed paths per layer and width w, separated by ;. In a path a pad name is that pad's centre, name@x,y a point inside that pad or via, vN(x,y) a via of type N, cw(c..) or ccw(c..) an arc to the next point about the centre after c; other vN are vias at no path point)
AVCC: C201.1 L200.1 U200.27 | length 3.3
  Top Layer LF-signals w0.175: U200.27@-26.6,-37 -26.225,-37 -25.975,-37.25 -25.2,-37.25 ; L200.1@-24.6,-37.85 -25.2,-37.25 ; C201.1@-24.45,-36.7 -24.65,-36.7 -25.2,-37.25
DGI_GPIO0: R413.2 U400.F8 | length 18.3
  Top Layer LF-signals w0.175: v6(-25.025,-19.475) -23.7,-19.475 -22.575,-20.6 -22.575,-23.145 v4(-19.05,-26.67)
  Bottom Layer LF-signals w0.175: U400.F8@-25.35,-19.15 v6(-25.025,-19.475) ; v4@-19.05,-26.525 v4(-19.05,-26.67) -18.37,-27.35 -15,-27.35 -14.475,-26.825 -13.15,-26.825 R413.2@-12.55,-27.425
DGI_GPIO0_CL: J303.1 R215.1 R413.1 | length 53.6
  Top Layer LF-signals w0.175: J303.1@-58.13,-23.65 -58.13,-23.695 -55.825,-26 -38.75,-26 -37.75,-25 -33.89,-25 -29.453,-29.437 -16.062,-29.437 -14.7,-28.075 v2(-14.65,-28.075)
  Bottom Layer LF-signals w0.175: R215.1@-19.275,-29.175 -17.8,-27.7 -14.978,-27.7 v2@-14.79,-27.887 ; v2(-14.65,-28.075) R413.1@-13.75,-27.425
DGI_GPIO1: R414.2 U400.D8 | length 20.7
  Top Layer LF-signals w0.175: v6(-23.725,-18.825) -22.925,-19.625 -21.61,-19.625 -20.55,-20.685 -20.55,-23.9 v4(-17.78,-26.67)
  Bottom Layer LF-signals w0.175: U400.D8@-24.05,-19.15 v6(-23.725,-18.825) ; v4(-17.78,-26.67) -17.78,-26.13 -17.4,-25.75 -14.9,-25.75 -14.225,-26.425 -12.275,-26.425 -11.8,-26.9 -11.8,-27.8 R414.2@-12.55,-28.55
DGI_GPIO1_CL: J303.2 R216.1 R414.1 | length 50.5
  Top Layer LF-signals w0.175: J303.2@-58.13,-21.11 -53.715,-25.525 -38.875,-25.525 -37.95,-24.6 -33.831,-24.6 -29.318,-29.112 -18.362,-29.112 v2(-17.675,-28.425)
  Bottom Layer LF-signals w0.175: R216.1@-18.15,-29.175 -18.15,-28.55 -18.025,-28.425 v2(-17.675,-28.425) -17.462,-28.212 -15.237,-28.212 -14.65,-28.8 -14,-28.8 R414.1@-13.75,-28.55 R414.1@-13.9,-28.4
DGI_GPIO2: R415.2 U400.C10 | length 22.2
  Top Layer LF-signals w0.175: v6(-23.525,-17.25) -20.225,-20.55 -20.225,-23.475 -17.03,-26.67 v4(-16.51,-26.67) -15.997,-27.183 -15.028,-27.183 -14.27,-26.425 -12.375,-26.425 v2(-11.225,-27.575)
  Bottom Layer LF-signals w0.125: v6(-23.525,-17.25) -23.525,-17.725 U400.C10@-23.4,-17.85
  Bottom Layer LF-signals w0.175: R415.2@-12.55,-29.7 -11.225,-28.375 v2(-11.225,-27.575)
DGI_GPIO2_CL: J303.3 R217.1 R415.1 | length 56.5
  Top Layer LF-signals w0.175: J303.3@-58.13,-18.57 -51.6,-25.1 -39.1,-25.1 -38.2,-24.2 -33.771,-24.2 -29.194,-28.778 -19.028,-28.778 -17.8,-27.55 -14.25,-27.55 -13.825,-27.975 -13.825,-28.925 -14.15,-29.25 v2(-14.975,-29.25) -14.975,-29.1 v2@-14.964,-29.089
  Bottom Layer LF-signals w0.175: R217.1@-17,-29.175 -16.362,-28.537 -15.427,-28.537 -15.287,-28.677 -15.287,-28.938 v2(-14.975,-29.25) -14.2,-29.25 R415.1@-13.75,-29.7
DGI_GPIO3: R416.2 U400.C9 | length 25.9
  Top Layer LF-signals w0.175: v6(-23.525,-16.625) -19.85,-20.3 -19.85,-23.05 -17.3,-25.6 -16.31,-25.6 v4(-15.24,-26.67) -14.67,-26.1 -11.845,-26.1 v2(-11.275,-26.67)
  Bottom Layer LF-signals w0.125: v6(-23.525,-16.625) -23.075,-17.075 -23.075,-18.175 U400.C9@-23.4,-18.5
  Bottom Layer LF-signals w0.175: R416.2@-12.55,-30.85 -10.712,-29.012 -10.712,-27.363 -11.275,-26.8 v2@-11.275,-26.675
DGI_GPIO3_CL: J303.4 R218.1 R416.1 | length 59.4
  Top Layer LF-signals w0.175: J303.4@-58.13,-16.03 -59.412,-17.313 -59.412,-24.75 -57.725,-26.437 -38.587,-26.437 -37.55,-25.4 -33.95,-25.4 -29.588,-29.762 -16.088,-29.762 -15.9,-29.95 v2(-14.825,-29.95)
  Bottom Layer LF-signals w0.175: R218.1@-15.85,-29.175 -15.075,-29.95 v2(-14.825,-29.95) ; v2@-14.613,-29.988 R416.1@-13.75,-30.85
EDBG_ADC0: R106.1 R107.2 U400.K10 | length 10.8
  Top Layer LF-signals w0.2: v4(-33.425,-17.025) -30.3,-17.025 v5(-29.35,-16.075)
  Bottom Layer LF-signals w0.175: v5(-29.35,-16.075) -27.95,-17.475 U400.K10@-27.95,-17.85
  Bottom Layer LF-signals w0.2: R106.1@-37.375,-17.025 v4(-33.425,-17.025)
EDBG_CDC_USART_RX: R204.1 U400.F9 | length 13.5
  Top Layer LF-signals w0.175: v4(-30.48,-26.67) -30.48,-23.78 -28.662,-21.962 -28.662,-21.162 v7(-25.675,-18.175)
  Bottom Layer LF-signals w0.175: R204.1@-30.775,-29.175 R204.1@-30.48,-28.88 ; R204.1@-30.48,-28.83 v4(-30.48,-26.67) ; v7(-25.675,-18.175) U400.F9@-25.35,-18.5
EDBG_CDC_USART_TX: R411.2 U400.E9 | length 13.3
  Top Layer LF-signals w0.175: v4(-29.21,-26.67) -29.21,-23.21 -28.1,-22.1 -28.1,-21.25 v7(-25.025,-18.175)
  Bottom Layer LF-signals w0.175: R411.2@-29.625,-29.125 -29.625,-27.085 v4(-29.21,-26.67) ; v7(-25.025,-18.175) U400.E9@-24.7,-18.5
EDBG_DGI_SCL: R203.1 U400.F7 | length 11.1
  Top Layer LF-signals w0.175: v4(-27.94,-27.94) -27.215,-27.94 -25.675,-26.4 v6(-25.675,-20.125)
  Bottom Layer LF-signals w0.175: -27.94,-28.56 R203.1@-27.325,-29.175 ; -27.94,-28.51 v4(-27.94,-27.94) ; v6(-25.675,-20.125) U400.F7@-25.35,-19.8
EDBG_DGI_SDA: R202.1 U400.G7 | length 10.5
  Top Layer LF-signals w0.175: v4(-27.94,-26.67) -27.94,-23.415 -26.325,-21.8 v6(-26.325,-20.125)
  Bottom Layer LF-signals w0.175: R202.1@-28.7,-28.95 R202.1@-28.475,-29.175 ; R202.1@-28.7,-28.9 -28.7,-27.43 v4(-27.94,-26.67) ; v6(-26.325,-20.125) U400.G7@-26,-19.8